# Allegro board TNR_REV00_150306.brd (continued)
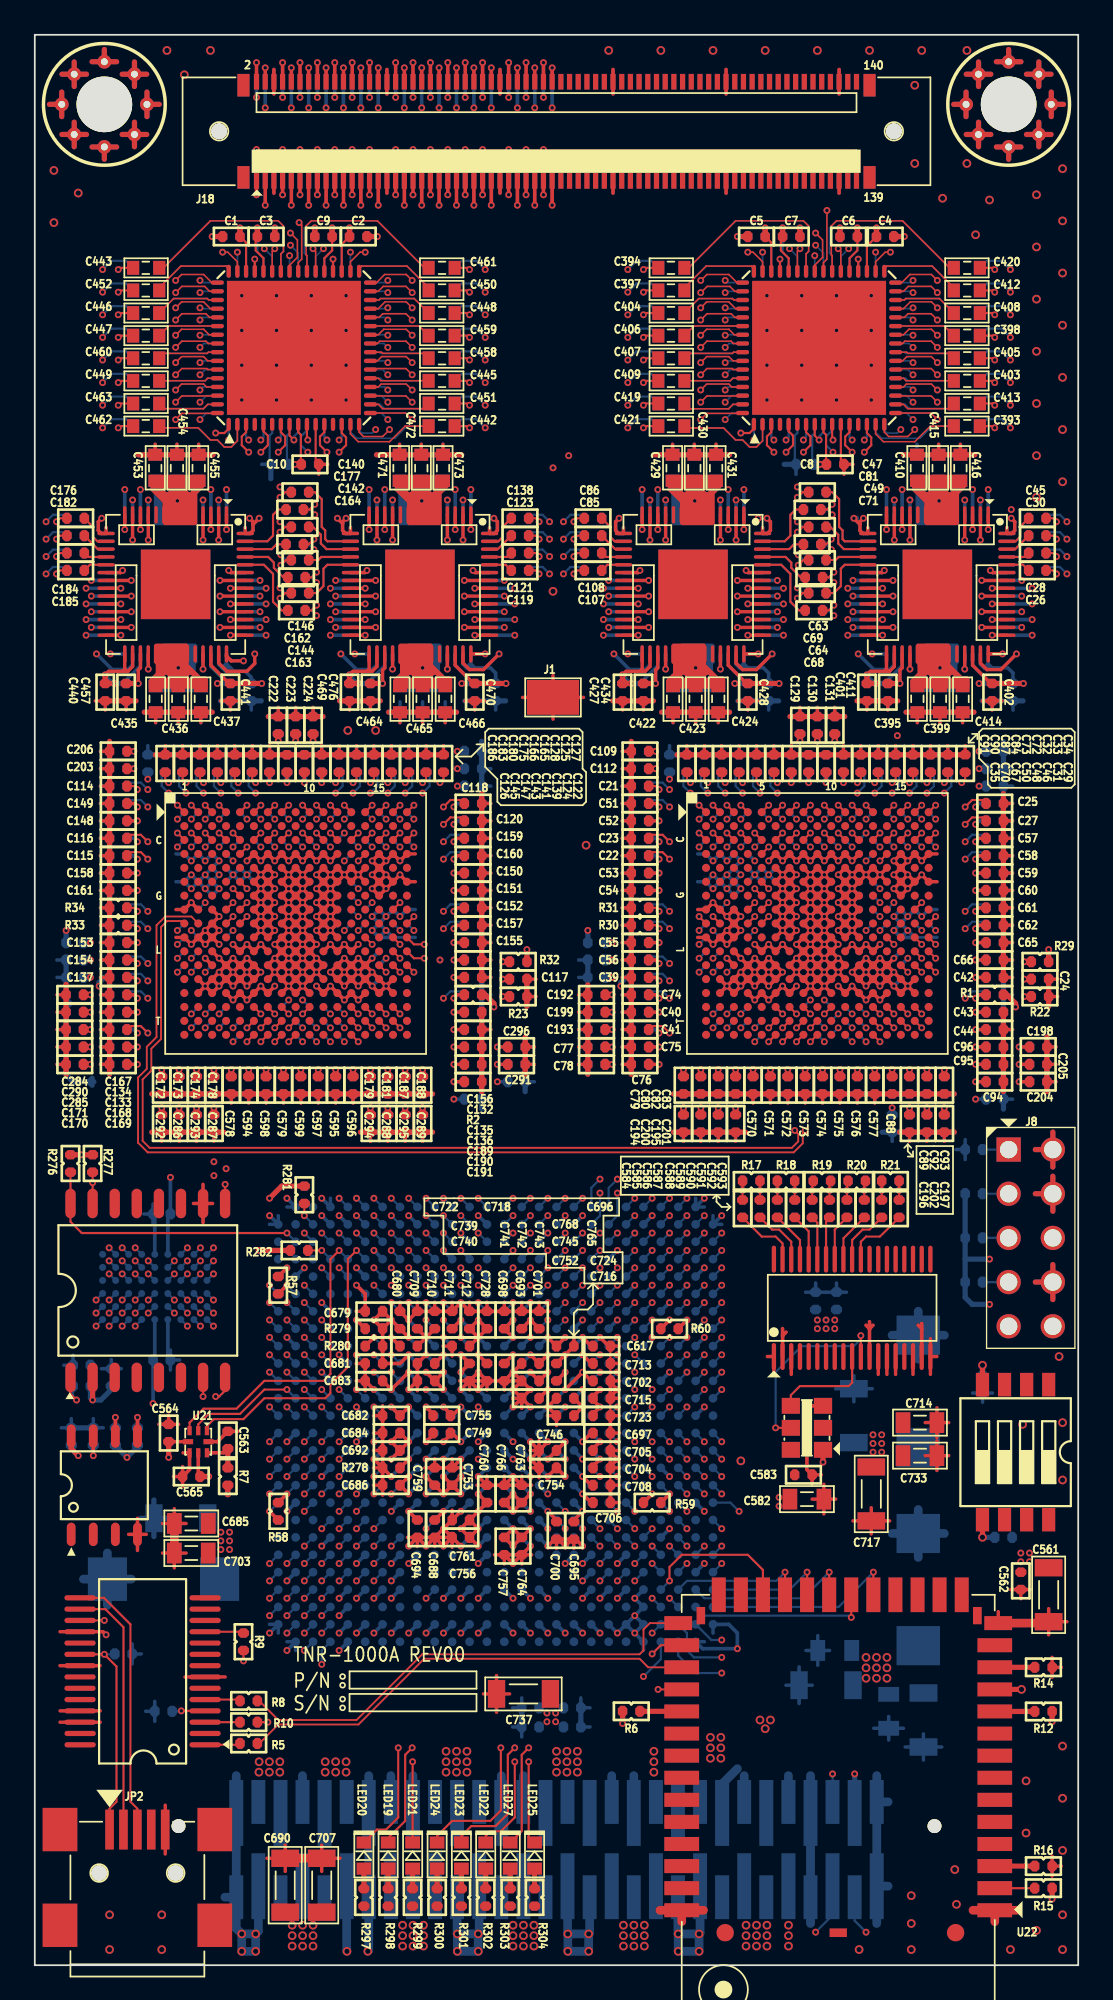
[diagram p0: board, top side]
## Nets (continued)
+D1P2_FPGA: C739.1 C740.1 C741.1 C742.1 C743.1 C744.1 C745.1 C746.1 C747.1 C748.1 C749.1 C750.1 C752.1 C753.1 C754.1 C755.1 C756.1 C757.1 C759.1 C760.1 C761.1 C762.1 C763.1 C764.1 C765.1 C766.1 C768.1 J20.46 J20.48 J20.50 U88.K11(VCC1) U88.K12(VCC2) U88.K13(VCC3) U88.K14(VCC4) U88.K15(VCC5) U88.K16(VCC6) U88.L10(VCC7) U88.L11(VCC8) U88.L12(VCC9) U88.L15(VCC10) U88.L16(VCC11) U88.L17(VCC12) U88.M11(VCC13) U88.M16(VCC14) U88.N10(VCC15) U88.N17(VCC16) U88.P10(VCC17) U88.P17(VCC18) U88.R11(VCC19) U88.R16(VCC20) U88.T10(VCC21) U88.T11(VCC22) U88.T12(VCC23) U88.T15(VCC24) U88.T16(VCC25) U88.T17(VCC26) U88.U11(VCC27) U88.U12(VCC28) U88.U13(VCC29) U88.U14(VCC30) U88.U15(VCC31) U88.U16(VCC32) U88.V13(VCCA1) U88.V14(VCCA2) U88.W12(VCCA3) U88.W13(VCCA4) U88.W14(VCCA5) U88.W15(VCCA6) U88.Y13(VCCA7) U88.Y14(VCCA8)
+D1P8: C568.2 C569.2 C570.1 C571.1 C572.1 C573.1 C574.1 C575.1 C576.1 C577.1 C578.1 C579.1 C594.1 C595.1 C596.1 C597.1 C598.1 C599.1 C600.1 C601.1 C602.1 C603.1 C604.1 C605.1 C606.1 C607.1 C608.1 C609.1 C610.1 C611.1 C612.1 C613.1 C614.1 C615.1 J20.36 J20.38 J20.40 U6.P4(DVDD1P8-1) U6.P5(DVDD1P8-2) U6.P6(DVDD1P8-3) U6.P7(DVDD1P8-4) U6.P11(DVDD1P8-5) U6.P12(DVDD1P8-6) U6.P13(DVDD1P8-7) U6.P14(DVDD1P8-8) U8.P4(DVDD1P8-1) U8.P5(DVDD1P8-2) U8.P6(DVDD1P8-3) U8.P7(DVDD1P8-4) U8.P11(DVDD1P8-5) U8.P12(DVDD1P8-6) U8.P13(DVDD1P8-7) U8.P14(DVDD1P8-8) U10.P4(DVDD1P8-1) U10.P5(DVDD1P8-2) U10.P6(DVDD1P8-3) U10.P7(DVDD1P8-4) U10.P11(DVDD1P8-5) U10.P12(DVDD1P8-6) U10.P13(DVDD1P8-7) U10.P14(DVDD1P8-8) U11.P4(DVDD1P8-1) U11.P5(DVDD1P8-2) U11.P6(DVDD1P8-3) U11.P7(DVDD1P8-4) U11.P11(DVDD1P8-5) U11.P12(DVDD1P8-6) U11.P13(DVDD1P8-7) U11.P14(DVDD1P8-8) U25.D6(VCC) U25.E1(VCCQ)
+D1P8_FPGA: C709.1 C710.1 C711.1 C712.1 C713.1 C714.1 C715.1 C716.1 C717.1 C718.1 C719.1 C721.1 C722.1 C723.1 C724.1 C725.1 C726.1 C728.1 C730.1 C731.1 C733.1 C737.1 J20.26 J20.28 J20.30 U88.H14(VCCIO1-1) U88.H15(VCCIO1-2) U88.J14(VCCIO1-3) U88.J17(VCCIO1-4) U88.K9(VCCIO7-1) U88.M8(VCCIO7-2) U88.N8(VCCIO7-3) U88.N9(VCCIO7-4)
+D3P3: C616.2 C618.2 J20.16 J20.18 J20.20 R276.1 R277.1 R282.1 R283.1 R297.2 R298.2 R299.2 R300.2 R301.2 R302.2 R303.2 R304.2 U28.2(VCC)
+D3P3_FPGA: C617.2 C679.1 C680.1 C681.1 C682.1 C683.1 C684.1 C685.1 C686.1 C687.1 C688.1 C689.1 C690.1 C692.1 C693.1 C694.1 C695.1 C696.1 C697.1 C698.1 C700.1 C701.1 C702.1 C703.1 C704.1 C705.1 C706.1 C707.1 C708.1 J8.6 J20.6 J20.8 J20.10 R273.1 R274.1 R275.1 R279.2 R280.2 R281.2 U88.H7(VCCJ) U88.H12(VCCIO0-1) U88.H13(VCCIO0-2) U88.H19(VCCIO8-1) U88.H20(VCCIO8-2) U88.J9(VCCAUX1) U88.J10(VCCIO0-3) U88.J11(VCCAUX2) U88.J13(VCCIO0-4) U88.J16(VCCAUX3) U88.J18(VCCAUX4) U88.K18(VCCIO2-1) U88.L9(VCCAUX5) U88.L18(VCCAUX6) U88.M10(VCCPLL_L1) U88.M17(VCCPLL_R1) U88.M19(VCCIO2-2) U88.N18(VCCIO2-3) U88.N19(VCCIO2-4) U88.P8(VCCIO6-1) U88.P9(VCCIO6-2) U88.P18(VCCIO3-1) U88.P19(VCCIO3-2) U88.R8(VCCIO6-3) U88.R10(VCCPLL_L2) U88.R17(VCCPLL_R2) U88.R19(VCCIO3-3) U88.T9(VCCAUX7) U88.T18(VCCAUX8) U88.U9(VCCIO6-4) U88.U18(VCCIO3-4) U88.V9(VCCAUX9) U88.V11(VCCAUX10) U88.V16(VCCAUX11) U88.V18(VCCAUX12)
-A3P3: C411.1 C434.1 C457.1 C476.1 C503.1 C518.1 C543.1 C560.1 J20.49 U13.31(VDDM) U14.31(VDDM) U15.31(VDDM) U16.31(VDDM) U17.31(VDDM) U18.31(VDDM) U19.31(VDDM) U20.31(VDDM)
ADCM1: U6.T16(DOUTM1) U88.F26(PR38B)
ADCM2: U6.T15(DOUTM2) U88.H23(PR37B)
ADCM3: U6.T14(DOUTM3) U88.L19(PR56B)
ADCM4: U6.U13(DOUTM4) U88.K22(PR43B)
ADCM5: U6.U8(DOUTM9) U88.J24(PR47B)
ADCM6: U6.U7(DOUTM10) U88.M21(PR46B)
ADCM7: U6.R6(DOUTM11) U88.N21(PR52B)
ADCM8: U6.U6(DOUTM12) U88.N22(PR55B)
ADCM9: U8.T16(DOUTM1) U88.R24(PR65B)
ADCM10: U8.T15(DOUTM2) U88.U21(PR70B)
ADCM11: U8.T14(DOUTM3) U88.T24(PR74B)
ADCM12: U8.U13(DOUTM4) U88.U22(PR79B)
ADCM13: U8.U8(DOUTM9) U88.V24(PR73B)
ADCM14: U8.U7(DOUTM10) U88.W22(PR109B)
ADCM15: U8.R6(DOUTM11) U88.Y20(PR118B)
ADCM16: U8.U6(DOUTM12) U88.AA23(PR115B)
ADCM17: U10.T16(DOUTM1) U88.P6(PL70B)
ADCM18: U10.T15(DOUTM2) U88.R2(PL65B)
ADCM19: U10.T14(DOUTM3) U88.R6(PL73B)
ADCM20: U10.U13(DOUTM4) U88.U1(PL74B)
ADCM21: U10.U8(DOUTM9) U88.T6(PL82B)
ADCM22: U10.U7(DOUTM10) U88.T8(PL79B)
ADCM23: U10.R6(DOUTM11) U88.V4(PL83B)
ADCM24: U10.U6(DOUTM12) U88.V7(PL109B)
ADCM25: U11.T16(DOUTM1) U88.D3(PL11B)
ADCM26: U11.T15(DOUTM2) U88.C1(PL47B)
ADCM27: U11.T14(DOUTM3) U88.E4(PL10B)
ADCM28: U11.U13(DOUTM4) U88.F3(PL38B)
ADCM29: U11.U8(DOUTM9) U88.J1(PL56B)
ADCM30: U11.U7(DOUTM10) U88.J5(PL43B)
ADCM31: U11.R6(DOUTM11) U88.J6(PL16B)
ADCM32: U11.U6(DOUTM12) U88.J3(PL46B)
ADCP1: U6.R16(DOUTP1) U88.G26(PR38A)
ADCP2: U6.R15(DOUTP2) U88.J23(PR37A)
ADCP3: U6.R14(DOUTP3) U88.K19(PR56A)
ADCP4: U6.T13(DOUTP4) U88.K23(PR43A)
ADCP5: U6.T8(DOUTP9) U88.K24(PR47A)
ADCP6: U6.T7(DOUTP10) U88.L20(PR46A)
ADCP7: U6.R7(DOUTP11) U88.M22(PR52A)
ADCP8: U6.T6(DOUTP12) U88.N23(PR55A)
ADCP9: U8.R16(DOUTP1) U88.P24(PR65A)
ADCP10: U8.R15(DOUTP2) U88.T20(PR70A)
ADCP11: U8.R14(DOUTP3) U88.T25(PR74A)
ADCP12: U8.T13(DOUTP4) U88.U23(PR79A)
ADCP13: U8.T8(DOUTP9) U88.U24(PR73A)
ADCP14: U8.T7(DOUTP10) U88.W23(PR109A)
ADCP15: U8.R7(DOUTP11) U88.Y19(PR118A)
ADCP16: U8.T6(DOUTP12) U88.AA24(PR115A)
ADCP17: U10.R16(DOUTP1) U88.P5(PL70A)
ADCP18: U10.R15(DOUTP2) U88.R1(PL65A)
ADCP19: U10.R14(DOUTP3) U88.R5(PL73A)
ADCP20: U10.T13(DOUTP4) U88.T1(PL74A)
ADCP21: U10.T8(DOUTP9) U88.T5(PL82A)
ADCP22: U10.T7(DOUTP10) U88.T7(PL79A)
ADCP23: U10.R7(DOUTP11) U88.V3(PL83A)
ADCP24: U10.T6(DOUTP12) U88.V6(PL109A)
ADCP25: U11.R16(DOUTP1) U88.C3(PL11A)
ADCP26: U11.R15(DOUTP2) U88.D1(PL47A)
ADCP27: U11.R14(DOUTP3) U88.D4(PL10A)
ADCP28: U11.T13(DOUTP4) U88.F2(PL38A)
ADCP29: U11.T8(DOUTP9) U88.H1(PL56A)
ADCP30: U11.T7(DOUTP10) U88.H5(PL43A)
ADCP31: U11.R7(DOUTP11) U88.H6(PL16A)
ADCP32: U11.T6(DOUTP12) U88.J4(PL46A)
AFE1_CLKN: C587.1 R18.1 U6.J2(ADC_CLKM)
AFE1_CLKP: C586.1 R18.2 U6.J1(ADC_CLKP)
AFE1_DCLKM: U6.U9(DCLKM) U88.P22(PR61B)
AFE1_DCLKP: U6.T9(DCLKP) U88.P21(PR61A)
AFE1_FCLKM: R57.1 U6.R8(FCLKM) U88.E26(PR43E_B)
AFE1_FCLKP: R57.2 U6.R10(FCLKP) U88.F25(PR43E_A)
AFE1_RESET: U6.L17(RESET) U88.B2(PL8A)
AFE1_SCLK: U6.J17(SCLK) U88.B3(PL8B)
AFE1_SDATA: U6.L16(SDATA) U88.C2(PL35A)
AFE1_SDOUT: U6.H16(SDOUT) U88.L7(PL43E_D)
AFE1_SEN: U6.K17(SEN) U88.D2(PL35B)
AFE1_SLOPE: U6.H4(TGC_SLOPE) U88.E1(PL50A)
AFE1_TX_TRIG: U6.M15(TX_TRIG) U88.E3(PL14A)
AFE1_UP/DN: U6.J4(TGC_UP_DN) U88.F1(PL50B)
AFE2_CLKN: C589.1 R19.1 U8.J2(ADC_CLKM)
AFE2_CLKP: C588.1 R19.2 U8.J1(ADC_CLKP)
AFE2_DCLKM: U8.U9(DCLKM) U88.U19(PR64B)
AFE2_DCLKP: U8.T9(DCLKP) U88.U20(PR64A)
AFE2_FCLKM: R58.2 U8.R8(FCLKM) U88.V26(PR79E_B)
AFE2_FCLKP: R58.1 U8.R10(FCLKP) U88.U25(PR79E_A)
AFE2_RESET: U8.L17(RESET) U88.F4(PL14B)
AFE2_SCLK: U8.J17(SCLK) U88.G1(PL53B)
AFE2_SDATA: U8.L16(SDATA) U88.G2(PL41A)
AFE2_SDOUT: U8.H16(SDOUT) U88.L8(PL43E_C)
AFE2_SEN: U8.K17(SEN) U88.G3(PL41B)
AFE2_SLOPE: U8.H4(TGC_SLOPE) U88.G5(PL13A)
AFE2_TX_TRIG: U8.M15(TX_TRIG) U88.G6(PL13B)
AFE2_UP/DN: U8.J4(TGC_UP_DN) U88.H2(PL53A)
AFE3_CLKN: C591.1 R20.1 U10.J2(ADC_CLKM)
AFE3_CLKP: C590.1 R20.2 U10.J1(ADC_CLKP)
AFE3_DCLKM: U10.U9(DCLKM) U88.N6(PL64B)
AFE3_DCLKP: U10.T9(DCLKP) U88.N5(PL64A)
AFE3_FCLKM: R59.2 U10.R8(FCLKM) U88.V5(PL79E_D)
AFE3_FCLKP: R59.1 U10.R10(FCLKP) U88.U4(PL79E_C)
AFE3_RESET: U10.L17(RESET) U88.J7(PL37B)
AFE3_SCLK: U10.J17(SCLK) U88.K1(PL44B)
AFE3_SDATA: U10.L16(SDATA) U88.K2(PL44A)
AFE3_SDOUT: U10.H16(SDOUT) U88.M1(PL61E_A)
AFE3_SEN: U10.K17(SEN) U88.K3(PL55A)
AFE3_SLOPE: U10.H4(TGC_SLOPE) U88.K4(PL49A)
AFE3_TX_TRIG: U10.M15(TX_TRIG) U88.K5(PL49B)
AFE3_UP/DN: U10.J4(TGC_UP_DN) U88.K6(PL40B)
AFE4_CLKN: C593.1 R21.1 U11.J2(ADC_CLKM)
AFE4_CLKP: C592.1 R21.2 U11.J1(ADC_CLKP)
AFE4_DCLKM: U11.U9(DCLKM) U88.N4(PL61B)
AFE4_DCLKP: U11.T9(DCLKP) U88.M4(PL61A)
AFE4_FCLKM: R60.1 U11.R8(FCLKM) U88.H3(PL43E_B)
AFE4_FCLKP: R60.2 U11.R10(FCLKP) U88.H4(PL43E_A)
AFE4_RESET: U11.L17(RESET) U88.K7(PL40A)
AFE4_SCLK: U11.J17(SCLK) U88.K8(PL37A)
AFE4_SDATA: U11.L16(SDATA) U88.L1(PL59B)
AFE4_SDOUT: U11.H16(SDOUT) U88.M2(PL61E_D)
AFE4_SEN: U11.K17(SEN) U88.L2(PL59A)
AFE4_SLOPE: U11.H4(TGC_SLOPE) U88.L3(PL55B)
AFE4_TX_TRIG: U11.M15(TX_TRIG) U88.L5(PL52A)
AFE4_UP/DN: U11.J4(TGC_UP_DN) U88.L6(PL52B)
BATT_ADC_CS: U21.1(C\S\) U88.D21(PT176B)
BATT_ADC_SCLK: U21.3(SCLK) U88.D22(PT176A)
BATT_ADC_SDO: U21.2(SDO) U88.M25(PR61E_A)
BATT_LEVEL: J20.57 R7.2 R15.1
DBG_LED0: LED20.2(CATHODE) U88.AD3(PB5A)
DBG_LED1: LED19.2(CATHODE) U88.AD4(PB2A)
DBG_LED2: LED21.2(CATHODE) U88.AE2(PB8A)
DBG_LED3: LED24.2(CATHODE) U88.AE3(PB2B)
DBG_LED4: LED23.2(CATHODE) U88.AE4(PB11A)
DBG_LED5: LED22.2(CATHODE) U88.AF3(PB8B)
DBG_LED6: LED27.2(CATHODE) U88.AF4(PB11B)
DBG_LED7: LED25.2(CATHODE) U88.C23(PR5A)
EEPROM_SCL: J2.6(SCL) R56.1 U88.E23(PT179A)
EEPROM_SDA: J2.5(SDA) R55.1 U88.E22(PT179B)
FPGA_CLKN: C585.1 R17.1 U88.D13(PT91B)
FPGA_CLKP: C584.1 R17.2 U88.E13(PT91A)
FPGA_CS: U28.7(S#) U88.C24(PR5B)
FPGA_DI: R277.2 U28.15(DQ0) U88.K21(PR16B)
FPGA_DO: U28.8(DQ1) U88.K20(PR16A)
FPGA_MCLK: R276.2 U28.16(C) U88.C25(PR8B)
HV1_CK: U13.42(CK) U88.A3(PT11A)
HV1_CW: U13.41(CW) U88.A4(PT11B)
HV1_IN1_0: U13.43(IN1_0) U88.A5(PT17A)
HV1_IN1_1: U13.44(IN1_1) U88.A6(PT17B)
HV1_IN2_0: U13.45(IN2_0) U88.A7(PT14B)
HV1_IN2_1: U13.46(IN2_1) U88.A8(PT59A)
HV1_IN3_0: U13.47(IN3_0) U88.A9(PT74A)
HV1_IN3_1: U13.48(IN3_1) U88.A10(PT77A)
HV1_IN4_0: U13.49(IN4_0) U88.A11(PT77B)
HV1_IN4_1: U13.50(IN4_1) U88.A12(PT83A)
HV1_IN5_0: U13.21(IN5_0) U88.A13(PT86A)
HV1_IN5_1: U13.22(IN5_1) U88.A14(PT86B)
HV1_IN6_0: U13.23(IN6_0) U88.A15(PT89A)
HV1_IN6_1: U13.24(IN6_1) U88.A16(PT89B)
HV1_IN7_0: U13.25(IN7_0) U88.B4(PT7B)
HV1_IN7_1: U13.26(IN7_1) U88.B6(PT2A)
HV1_IN8_0: U13.27(IN8_0) U88.B7(PT14A)
HV1_IN8_1: U13.28(IN8_1) U88.B8(PT59B)
HV2_CK: U14.42(CK) U88.B10(PT74B)
HV2_CW: U14.41(CW) U88.B11(PT80A)
HV2_IN1_0: U14.43(IN1_0) U88.B12(PT80B)
HV2_IN1_1: U14.44(IN1_1) U88.B13(PT83B)
HV2_IN2_0: U14.45(IN2_0) U88.C4(PT4B)
HV2_IN2_1: U14.46(IN2_1) U88.C5(PT7A)
HV2_IN3_0: U14.47(IN3_0) U88.C6(PT5B)
HV2_IN3_1: U14.48(IN3_1) U88.C7(PT2B)
HV2_IN4_0: U14.49(IN4_0) U88.C8(PT8B)
HV2_IN4_1: U14.50(IN4_1) U88.C9(PT62A)
HV2_IN5_0: U14.21(IN5_0) U88.C10(PT62B)
HV2_IN5_1: U14.22(IN5_1) U88.C11(PT79B)
HV2_IN6_0: U14.23(IN6_0) U88.C12(PT85A)
HV2_IN6_1: U14.24(IN6_1) U88.C13(PT85B)
HV2_IN7_0: U14.25(IN7_0) U88.D5(PT4A)
HV2_IN7_1: U14.26(IN7_1) U88.D6(PT5A)
HV2_IN8_0: U14.27(IN8_0) U88.D8(PT8A)
HV2_IN8_1: U14.28(IN8_1) U88.D9(PT56A)
HV3_CK: U16.42(CK) U88.D10(PT56B)
HV3_CW: U16.41(CW) U88.D12(PT79A)
HV3_IN1_0: U16.43(IN1_0) U88.E8(PT16A)
HV3_IN1_1: U16.44(IN1_1) U88.E9(PT16B)
HV3_IN2_0: U16.45(IN2_0) U88.E10(PT58B)
HV3_IN2_1: U16.46(IN2_1) U88.E11(PT82A)
HV3_IN3_0: U16.47(IN3_0) U88.E12(PT82B)
HV3_IN3_1: U16.48(IN3_1) U88.F7(PT13A)
HV3_IN4_0: U16.49(IN4_0) U88.F8(PT13B)
HV3_IN4_1: U16.50(IN4_1) U88.F9(PT19B)
HV3_IN5_0: U16.21(IN5_0) U88.F10(PT58A)
HV3_IN5_1: U16.22(IN5_1) U88.F11(PT76A)
HV3_IN6_0: U16.23(IN6_0) U88.F12(PT88A)
HV3_IN6_1: U16.24(IN6_1) U88.G7(PT10A)
HV3_IN7_0: U16.25(IN7_0) U88.G8(PT19A)
HV3_IN7_1: U16.26(IN7_1) U88.G9(PT61B)
HV3_IN8_0: U16.27(IN8_0) U88.G10(PT61A)
HV3_IN8_1: U16.28(IN8_1) U88.G11(PT76B)
HV4_CK: U15.42(CK) U88.F24(PR40A)
HV4_CW: U15.41(CW) U88.G24(PR40B)
HV4_IN1_0: U15.43(IN1_0) U88.G25(PR44B)
HV4_IN1_1: U15.44(IN1_1) U88.H24(PR44A)
HV4_IN2_0: U15.45(IN2_0) U88.H25(PR41B)
HV4_IN2_1: U15.46(IN2_1) U88.H26(PR41A)
HV4_IN3_0: U15.47(IN3_0) U88.J26(PR53A)
HV4_IN3_1: U15.48(IN3_1) U88.K25(PR50B)
HV4_IN4_0: U15.49(IN4_0) U88.K26(PR53B)
HV4_IN4_1: U15.50(IN4_1) U88.L24(PR50A)
HV4_IN5_0: U15.21(IN5_0) U88.L25(PR59A)
HV4_IN5_1: U15.22(IN5_1) U88.L26(PR59B)
HV4_IN6_0: U15.23(IN6_0) U88.M23(PR49A)
HV4_IN6_1: U15.24(IN6_1) U88.M24(PR49B)
HV4_IN7_0: U15.25(IN7_0) U88.P23(PR58A)
HV4_IN7_1: U15.26(IN7_1) U88.R22(PR58B)
HV4_IN8_0: U15.27(IN8_0) U88.N24(PR62A)
HV4_IN8_1: U15.28(IN8_1) U88.N25(PR62B)
HV5_CK: U18.42(CK) U88.N26(PR68A)
HV5_CW: U18.41(CW) U88.P26(PR68B)
HV5_IN1_0: U18.43(IN1_0) U88.R23(PR67A)
HV5_IN1_1: U18.44(IN1_1) U88.R25(PR71A)
HV5_IN2_0: U18.45(IN2_0) U88.R26(PR71B)
HV5_IN2_1: U18.46(IN2_1) U88.T22(PR67B)
HV5_IN3_0: U18.47(IN3_0) U88.T26(PR77A)
HV5_IN3_1: U18.48(IN3_1) U88.U26(PR77B)
HV5_IN4_0: U18.49(IN4_0) U88.V21(PR76A)
HV5_IN4_1: U18.50(IN4_1) U88.V22(PR76B)
HV5_IN5_0: U18.21(IN5_0) U88.W17(PB178A)
HV5_IN5_1: U18.22(IN5_1) U88.W20(PR112B)
HV5_IN6_0: U18.23(IN6_0) U88.W21(PR112A)
HV5_IN6_1: U18.24(IN6_1) U88.Y21(PB181A)
HV5_IN7_0: U18.25(IN7_0) U88.Y22(PR121A)
HV5_IN7_1: U18.26(IN7_1) U88.Y24(PR107B)
HV5_IN8_0: U18.27(IN8_0) U88.AA20(PB181B)
HV5_IN8_1: U18.28(IN8_1) U88.AA22(PR121B)
HV6_CK: U17.42(CK) U88.AA25(PR107A)
HV6_CW: U17.41(CW) U88.AA26(PR110A)
HV6_IN1_0: U17.43(IN1_0) U88.AB20(PB175A)
HV6_IN1_1: U17.44(IN1_1) U88.AB21(PB175B)
HV6_IN2_0: U17.45(IN2_0) U88.AB22(PB179B)
HV6_IN2_1: U17.46(IN2_1) U88.AB23(PB179A)
HV6_IN3_0: U17.47(IN3_0) U88.AB24(PR119A)
HV6_IN3_1: U17.48(IN3_1) U88.AB26(PR110B)
HV6_IN4_0: U17.49(IN4_0) U88.AC23(PB173B)
HV6_IN4_1: U17.50(IN4_1) U88.AC24(PR119B)
HV6_IN5_0: U17.21(IN5_0) U88.AC25(PR116B)
HV6_IN5_1: U17.22(IN5_1) U88.AC26(PR116A)
HV6_IN6_0: U17.23(IN6_0) U88.AD23(PB173A)
HV6_IN6_1: U17.24(IN6_1) U88.AD24(PR124A)
HV6_IN7_0: U17.25(IN7_0) U88.AD25(PR113B)
HV6_IN7_1: U17.26(IN7_1) U88.AD26(PR113A)
HV6_IN8_0: U17.27(IN8_0) U88.AE23(PB176B)
HV6_IN8_1: U17.28(IN8_1) U88.AE24(PR124B)
HV7_CK: U19.42(CK) U88.AE25(PR122A)
HV7_CW: U19.41(CW) U88.AF23(PB176A)
HV7_IN1_0: U19.43(IN1_0) U88.AF24(PR122B)
HV7_IN1_1: U19.44(IN1_1) U88.N3(PL67A)
HV7_IN2_0: U19.45(IN2_0) U88.P1(PL62A)
HV7_IN2_1: U19.46(IN2_1) U88.P2(PL62B)
HV7_IN3_0: U19.47(IN3_0) U88.P3(PL67B)
HV7_IN3_1: U19.48(IN3_1) U88.P4(PL71A)
HV7_IN4_0: U19.49(IN4_0) U88.R3(PL71B)
HV7_IN4_1: U19.50(IN4_1) U88.R4(PL76B)
HV7_IN5_0: U19.21(IN5_0) U88.T2(PL68A)
HV7_IN5_1: U19.22(IN5_1) U88.T3(PL76A)
HV7_IN6_0: U19.23(IN6_0) U88.U2(PL77B)
HV7_IN6_1: U19.24(IN6_1) U88.U3(PL68B)
HV7_IN7_0: U19.25(IN7_0) U88.V1(PL77A)
HV7_IN7_1: U19.26(IN7_1) U88.V10(PB13A)
HV7_IN8_0: U19.27(IN8_0) U88.W3(PL80B)
HV7_IN8_1: U19.28(IN8_1) U88.W6(PL112B)
HV8_CK: U20.42(CK) U88.W7(PL112A)
HV8_CW: U20.41(CW) U88.W8(PL124A)
HV8_IN1_0: U20.43(IN1_0) U88.W9(PL124B)
HV8_IN1_1: U20.44(IN1_1) U88.W10(PB13B)
HV8_IN2_0: U20.45(IN2_0) U88.Y3(PL80A)
HV8_IN2_1: U20.46(IN2_1) U88.Y5(PL115A)
HV8_IN3_0: U20.47(IN3_0) U88.Y6(PL121A)
HV8_IN3_1: U20.48(IN3_1) U88.Y7(PL121B)
HV8_IN4_0: U20.49(IN4_0) U88.Y8(PB10A)
HV8_IN4_1: U20.50(IN4_1) U88.AA1(PL107A)
HV8_IN5_0: U20.21(IN5_0) U88.AA2(PL107B)
HV8_IN5_1: U20.22(IN5_1) U88.AA3(PL116A)
HV8_IN6_0: U20.23(IN6_0) U88.AA4(PL116B)
HV8_IN6_1: U20.24(IN6_1) U88.AA5(PL115B)
HV8_IN7_0: U20.25(IN7_0) U88.AA7(PB4A)
HV8_IN7_1: U20.26(IN7_1) U88.AB1(PL110A)
HV8_IN8_0: U20.27(IN8_0) U88.AB3(PL119A)
HV8_IN8_1: U20.28(IN8_1) U88.AB4(PL119B)
HVN_VAR: C3.1 C6.1 C7.1 C9.1 C13.1 C14.1 C18.1 C19.1 C410.1 C415.1 C416.1 C429.1 C430.1 C431.1 C453.1 C454.1 C455.1 C471.1 C472.1 C473.1 C487.1 C488.1 C489.1 C513.1 C514.1 C515.1 C528.1 C529.1 C530.1 C555.1 C556.1 C557.1 J20.9 J20.11 U1.37(VNN-2) U1.44(VNN-1) U1.65(EXP) U2.37(VNN-2) U2.44(VNN-1) U2.65(EXP) U3.37(VNN-2) U3.44(VNN-1) U3.65(EXP) U4.37(VNN-2) U4.44(VNN-1) U4.65(EXP) U13.5(HVM-1) U13.6(HVM-2) U13.7(HVM-3) U13.8(HVM-4) U13.9(HVM-5) U14.5(HVM-1) U14.6(HVM-2) U14.7(HVM-3) U14.8(HVM-4) U14.9(HVM-5) U15.5(HVM-1) U15.6(HVM-2) U15.7(HVM-3) U15.8(HVM-4) U15.9(HVM-5) U16.5(HVM-1) U16.6(HVM-2) U16.7(HVM-3) U16.8(HVM-4) U16.9(HVM-5) U17.5(HVM-1) U17.6(HVM-2) U17.7(HVM-3) U17.8(HVM-4) U17.9(HVM-5) U18.5(HVM-1) U18.6(HVM-2) U18.7(HVM-3) U18.8(HVM-4) U18.9(HVM-5) U19.5(HVM-1) U19.6(HVM-2) U19.7(HVM-3) U19.8(HVM-4) U19.9(HVM-5) U20.5(HVM-1) U20.6(HVM-2) U20.7(HVM-3) U20.8(HVM-4) U20.9(HVM-5)
HVP_VAR: C1.1 C2.1 C4.1 C5.1 C11.1 C12.1 C16.1 C17.1 C395.1 C399.1 C414.1 C422.1 C423.1 C424.1 C435.1 C436.1 C437.1 C464.1 C465.1 C466.1 C492.1 C493.1 C494.1 C506.1 C507.1 C508.1 C519.1 C520.1 C521.1 C548.1 C549.1 C550.1 J20.3 J20.5 U1.35(VPP-1) U1.46(VPP-2) U2.35(VPP-1) U2.46(VPP-2) U3.35(VPP-1) U3.46(VPP-2) U4.35(VPP-1) U4.46(VPP-2) U13.33(HVP-1) U13.34(HVP-2) U13.35(HVP-3) U13.36(HVP-4) U13.37(HVP-5) U14.33(HVP-1) U14.34(HVP-2) U14.35(HVP-3) U14.36(HVP-4) U14.37(HVP-5) U15.33(HVP-1) U15.34(HVP-2) U15.35(HVP-3) U15.36(HVP-4) U15.37(HVP-5) U16.33(HVP-1) U16.34(HVP-2) U16.35(HVP-3) U16.36(HVP-4) U16.37(HVP-5) U17.33(HVP-1) U17.34(HVP-2) U17.35(HVP-3) U17.36(HVP-4) U17.37(HVP-5) U18.33(HVP-1) U18.34(HVP-2) U18.35(HVP-3) U18.36(HVP-4) U18.37(HVP-5) U19.33(HVP-1) U19.34(HVP-2) U19.35(HVP-3) U19.36(HVP-4) U19.37(HVP-5) U20.33(HVP-1) U20.34(HVP-2) U20.35(HVP-3) U20.36(HVP-4) U20.37(HVP-5)
INM1: C27.2 U6.C17(INM1)
INM2: C29.2 U6.C16(INM2)
INM3: C31.2 U6.C15(INM3)
INM4: C46.2 U6.C14(INM4)
INM5: C48.2 U6.C13(INM5)
INM6: C50.2 U6.C12(INM6)
INM7: C67.2 U6.C11(INM7)
INM8: C70.2 U6.C10(INM8)
INM9: C72.2 U6.C8(INM9)
INM10: C73.2 U6.C7(INM10)
INM11: C84.2 U6.C6(INM11)
INM12: C87.2 U6.C5(INM12)
INM13: C90.2 U6.C4(INM13)
INM14: C91.2 U6.C3(INM14)
INM15: C109.2 U6.C2(INM15)
INM16: C112.2 U6.C1(INM16)
INM17: C120.2 U8.C17(INM1)
INM18: C122.2 U8.C16(INM2)
INM19: C124.2 U8.C15(INM3)
INM20: C139.2 U8.C14(INM4)
INM21: C141.2 U8.C13(INM5)
INM22: C143.2 U8.C12(INM6)
INM23: C147.2 U8.C11(INM7)
INM24: C145.2 U8.C10(INM8)
INM25: C165.2 U8.C8(INM9)
INM26: C166.2 U8.C7(INM10)
INM27: C175.2 U8.C6(INM11)
INM28: C180.2 U8.C5(INM12)
INM29: C183.2 U8.C4(INM13)
INM30: C186.2 U8.C3(INM14)
INM31: C206.2 U8.C2(INM15)
INM32: C203.2 U8.C1(INM16)
INM33: C213.2 U10.C17(INM1)
INM34: C215.2 U10.C16(INM2)
INM35: C217.2 U10.C15(INM3)
INM36: C232.2 U10.C14(INM4)
INM37: C234.2 U10.C13(INM5)
INM38: C236.2 U10.C12(INM6)
INM39: C251.2 U10.C11(INM7)
INM40: C253.2 U10.C10(INM8)
INM41: C258.2 U10.C8(INM9)
INM42: C259.2 U10.C7(INM10)
INM43: C270.2 U10.C6(INM11)
INM44: C274.2 U10.C5(INM12)
INM45: C277.2 U10.C4(INM13)
INM46: C278.2 U10.C3(INM14)
INM47: C298.2 U10.C2(INM15)
INM48: C299.2 U10.C1(INM16)
INM49: C306.2 U11.C17(INM1)
INM50: C308.2 U11.C16(INM2)
INM51: C310.2 U11.C15(INM3)
INM52: C325.2 U11.C14(INM4)
INM53: C327.2 U11.C13(INM5)
INM54: C329.2 U11.C12(INM6)
INM55: C345.2 U11.C11(INM7)
INM56: C350.2 U11.C10(INM8)
INM57: C349.2 U11.C8(INM9)
INM58: C352.2 U11.C7(INM10)
INM59: C354.2 U11.C6(INM11)
INM60: C362.2 U11.C5(INM12)
INM61: C369.2 U11.C4(INM13)
INM62: C371.2 U11.C3(INM14)
INM63: C390.2 U11.C2(INM15)
INM64: C391.2 U11.C1(INM16)
INP1: C26.1 U6.A17(INP1)
INP2: C28.1 U6.A16(INP2)
INP3: C30.1 U6.A15(INP3)
INP4: C45.1 U6.A14(INP4)
INP5: C47.1 U6.A13(INP5)
INP6: C49.1 U6.A12(INP6)
INP7: C63.1 U6.A11(INP7)
INP8: C64.1 U6.A10(INP8)
INP9: C68.1 U6.A8(INP9)
INP10: C69.1 U6.A7(INP10)
INP11: C71.1 U6.A6(INP11)
INP12: C81.1 U6.A5(INP12)
INP13: C86.1 U6.A4(INP13)
INP14: C85.1 U6.A3(INP14)
INP15: C108.1 U6.A2(INP15)
INP16: C107.1 U6.A1(INP16)
INP17: C119.1 U8.A17(INP1)
INP18: C121.1 U8.A16(INP2)
INP19: C123.1 U8.A15(INP3)
INP20: C138.1 U8.A14(INP4)
INP21: C140.1 U8.A13(INP5)
INP22: C142.1 U8.A12(INP6)
INP23: C146.1 U8.A11(INP7)
INP24: C144.1 U8.A10(INP8)
INP25: C163.1 U8.A8(INP9)
INP26: C162.1 U8.A7(INP10)
INP27: C164.1 U8.A6(INP11)
INP28: C177.1 U8.A5(INP12)
INP29: C176.1 U8.A4(INP13)
INP30: C182.1 U8.A3(INP14)
INP31: C184.1 U8.A2(INP15)
INP32: C185.1 U8.A1(INP16)
INP33: C212.1 U10.A17(INP1)
INP34: C214.1 U10.A16(INP2)
INP35: C216.1 U10.A15(INP3)
INP36: C231.1 U10.A14(INP4)
INP37: C233.1 U10.A13(INP5)
INP38: C235.1 U10.A12(INP6)
INP39: C250.1 U10.A11(INP7)
INP40: C252.1 U10.A10(INP8)
INP41: C256.1 U10.A8(INP9)
INP42: C255.1 U10.A7(INP10)
INP43: C257.1 U10.A6(INP11)
INP44: C268.1 U10.A5(INP12)
INP45: C269.1 U10.A4(INP13)
INP46: C275.1 U10.A3(INP14)
INP47: C276.1 U10.A2(INP15)
INP48: C297.1 U10.A1(INP16)
INP49: C305.1 U11.A17(INP1)
INP50: C307.1 U11.A16(INP2)
INP51: C309.1 U11.A15(INP3)
INP52: C324.1 U11.A14(INP4)
INP53: C326.1 U11.A13(INP5)
INP54: C328.1 U11.A12(INP6)
INP55: C344.1 U11.A11(INP7)
INP56: C347.1 U11.A10(INP8)
INP57: C346.1 U11.A8(INP9)
INP58: C348.1 U11.A7(INP10)
INP59: C351.1 U11.A6(INP11)
INP60: C353.1 U11.A5(INP12)
INP61: C355.1 U11.A4(INP13)
INP62: C363.1 U11.A3(INP14)
INP63: C370.1 U11.A2(INP15)
INP64: C389.1 U11.A1(INP16)
MEM_A0: U25.A3(A0) U88.A17(PT98A)
MEM_A1: U25.A4(A1) U88.A18(PT98B)
MEM_A2: U25.A5(A2) U88.A19(PT101A)
MEM_A3: U25.B3(A3) U88.A20(PT101B)
MEM_A4: U25.B4(A4) U88.A21(PT104A)
MEM_A5: U25.C3(A5) U88.A22(PT167B)
MEM_A6: U25.C4(A6) U88.B15(PT92B)
MEM_A7: U25.D4(A7) U88.B16(PT95A)
MEM_A8: U25.H2(A8) U88.B17(PT100A)
MEM_A9: U25.H3(A9) U88.B19(PT107B)
MEM_A10: U25.H4(A10) U88.B20(PT104B)
MEM_A11: U25.H5(A11) U88.B21(PT167A)
MEM_A12: U25.G3(A12) U88.C15(PT92A)
MEM_A13: U25.G4(A13) U88.C16(PT95B)
MEM_A14: U25.F3(A14) U88.C17(PT100B)
MEM_A15: U25.F4(A15) U88.C18(PT125A)
MEM_A16: U25.E4(A16) U88.C19(PT122A)
MEM_A17: U25.D3(A17) U88.C20(PT107A)
MEM_A18: U25.H1(A18) U88.C21(PT170B)
MEM_A19: U25.G2(A19) U88.C22(PT170A)
MEM_A20: U25.H6(A20) U88.D15(PT109A)
MEM_A21: U25.E3(A21) U88.D17(PT166B)
MEM_ADV#: U25.J3(ADV#) U88.G14(PT106A)
MEM_CE#: U25.B5(CE#) U88.F20(PT169B)
MEM_CLK: U25.J2(CLK) U88.C14(PT94A)
MEM_CRE: U25.A6(CRE) U88.G16(PT121A)
MEM_DQ0: U25.B6(DQ0) U88.D18(PT125B)
MEM_DQ1: U25.C5(DQ1) U88.D19(PT122B)
MEM_DQ2: U25.C6(DQ2) U88.E14(PT103A)
MEM_DQ3: U25.D5(DQ3) U88.E15(PT103B)
MEM_DQ4: U25.E5(DQ4) U88.E16(PT109B)
MEM_DQ5: U25.F5(DQ5) U88.E17(PT119A)
MEM_DQ6: U25.F6(DQ6) U88.E18(PT166A)
MEM_DQ7: U25.G6(DQ7) U88.E19(PT164A)
MEM_DQ8: U25.B1(DQ8) U88.E20(PT164B)
MEM_DQ9: U25.C1(DQ9) U88.F13(PT97A)
MEM_DQ10: U25.C2(DQ10) U88.F14(PT97B)
MEM_DQ11: U25.D2(DQ11) U88.F15(PT106B)
MEM_DQ12: U25.E2(DQ12) U88.F16(PT121B)
MEM_DQ13: U25.F2(DQ13) U88.F17(PT127A)
MEM_DQ14: U25.F1(DQ14) U88.F18(PT119B)
MEM_DQ15: U25.G1(DQ15) U88.F19(PT169A)
MEM_LB#: U25.A1(LB#) U88.G17(PT127B)
MEM_OE#: U25.A2(OE#) U88.G18(PT172A)
MEM_UB#: U25.B2(UB#) U88.G19(PT172B)
MEM_WAIT: U25.J1(WAIT) U88.H17(PT124B)
MEM_WE#: U25.G5(WE#) U88.H16(PT124A)
MUX1: C393.2 U1.15(Y01)
MUX2: C413.2 U1.18(Y23)
MUX3: C403.2 U1.21(Y45)
MUX4: C405.2 U1.24(Y67)
MUX5: C398.2 U1.27(Y89)
MUX6: C408.2 U1.30(Y1011)
MUX7: C412.2 U1.33(Y1213)
MUX8: C420.2 U1.39(Y1415)
MUX9: C394.2 U1.42(Y1617)
MUX10: C397.2 U1.48(Y1819)
MUX11: C404.2 U1.51(Y2021)
MUX12: C406.2 U1.54(Y2223)
MUX13: C407.2 U1.57(Y2425)
MUX14: C409.2 U1.60(Y2627)
MUX15: C419.2 U1.63(Y2829)
MUX16: C421.2 U1.2(Y3031)
MUX17: C442.2 U2.15(Y01)
MUX18: C451.2 U2.18(Y23)
MUX19: C445.2 U2.21(Y45)
MUX20: C458.2 U2.24(Y67)
MUX21: C459.2 U2.27(Y89)
MUX22: C448.2 U2.30(Y1011)
MUX23: C450.2 U2.33(Y1213)
MUX24: C461.2 U2.39(Y1415)
MUX25: C443.2 U2.42(Y1617)
MUX26: C452.2 U2.48(Y1819)
MUX27: C446.2 U2.51(Y2021)
MUX28: C447.2 U2.54(Y2223)
MUX29: C460.2 U2.57(Y2425)
MUX30: C449.2 U2.60(Y2627)
MUX31: C463.2 U2.63(Y2829)
MUX32: C462.2 U2.2(Y3031)
MUX33: C477.2 U3.15(Y01)
MUX34: C500.2 U3.18(Y23)
MUX35: C482.2 U3.21(Y45)
MUX36: C497.2 U3.24(Y67)
MUX37: C484.2 U3.27(Y89)
MUX38: C486.2 U3.30(Y1011)
MUX39: C499.2 U3.33(Y1213)
MUX40: C504.2 U3.39(Y1415)
MUX41: C478.2 U3.42(Y1617)
MUX42: C501.2 U3.48(Y1819)
MUX43: C496.2 U3.51(Y2021)
MUX44: C483.2 U3.54(Y2223)
MUX45: C485.2 U3.57(Y2425)
MUX46: C502.2 U3.60(Y2627)
MUX47: C491.2 U3.63(Y2829)
MUX48: C505.2 U3.2(Y3031)
MUX49: C526.2 U4.15(Y01)
MUX50: C541.2 U4.18(Y23)
MUX51: C537.2 U4.21(Y45)
MUX52: C531.2 U4.24(Y67)
MUX53: C532.2 U4.27(Y89)
MUX54: C539.2 U4.30(Y1011)
MUX55: C534.2 U4.33(Y1213)
MUX56: C546.2 U4.39(Y1415)
MUX57: C527.2 U4.42(Y1617)
MUX58: C542.2 U4.48(Y1819)
MUX59: C535.2 U4.51(Y2021)
MUX60: C544.2 U4.54(Y2223)
MUX61: C533.2 U4.57(Y2425)
